# KiCad board WiRoc_NanoPi.kicad_pcb
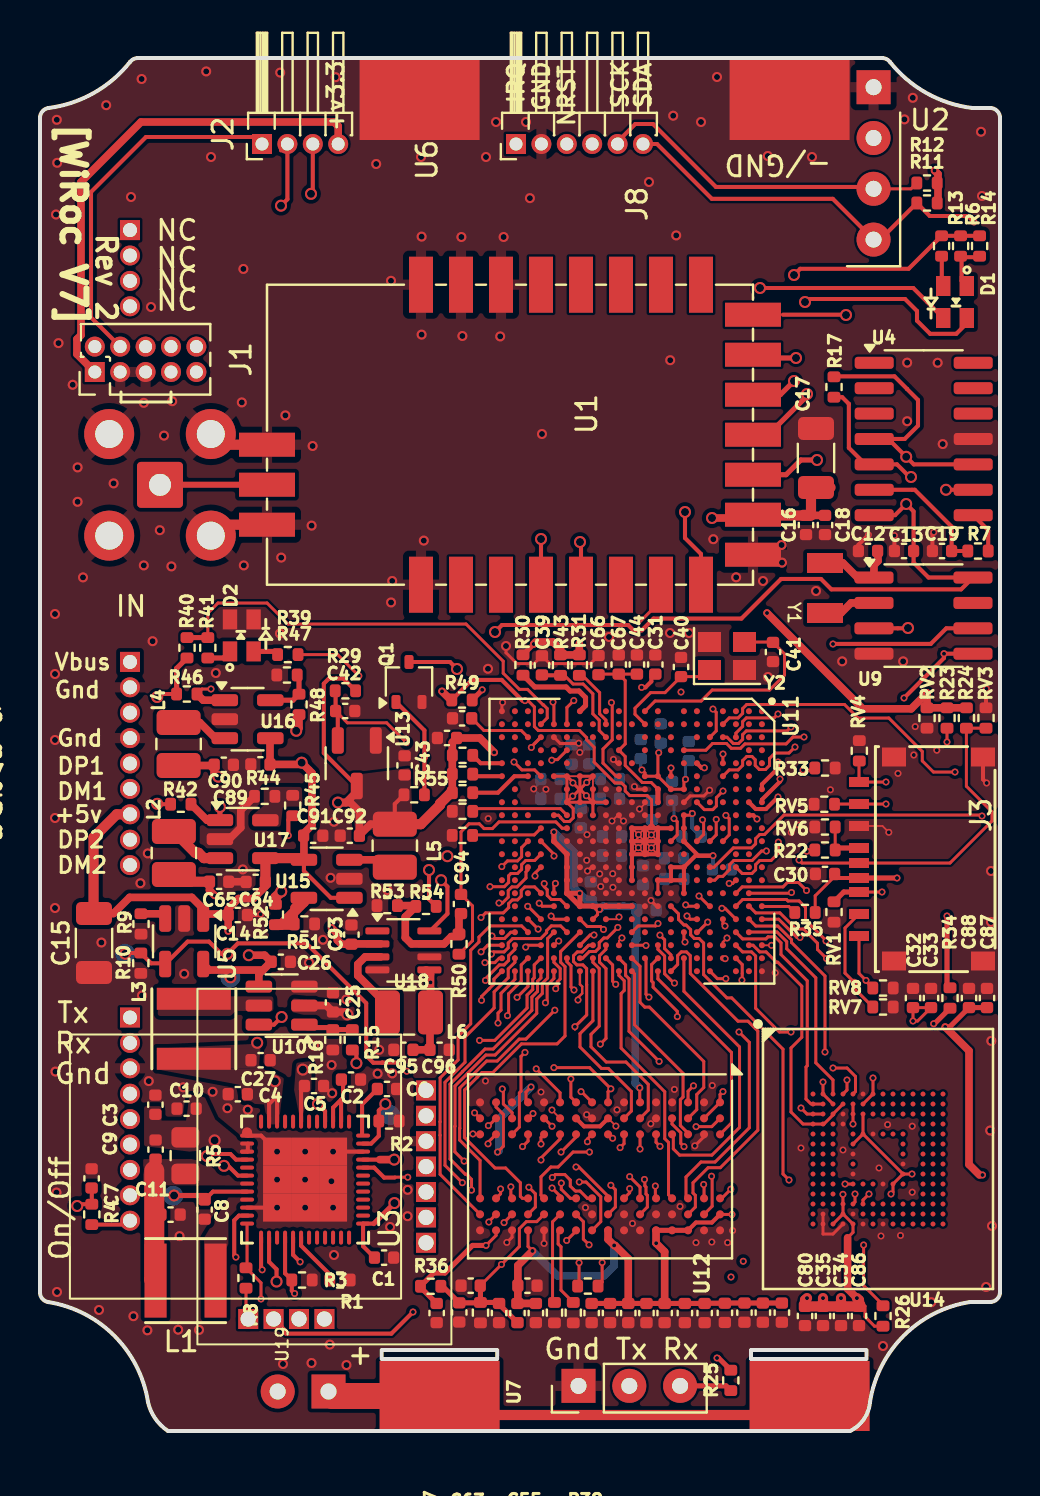
[diagram p0: board, top side]
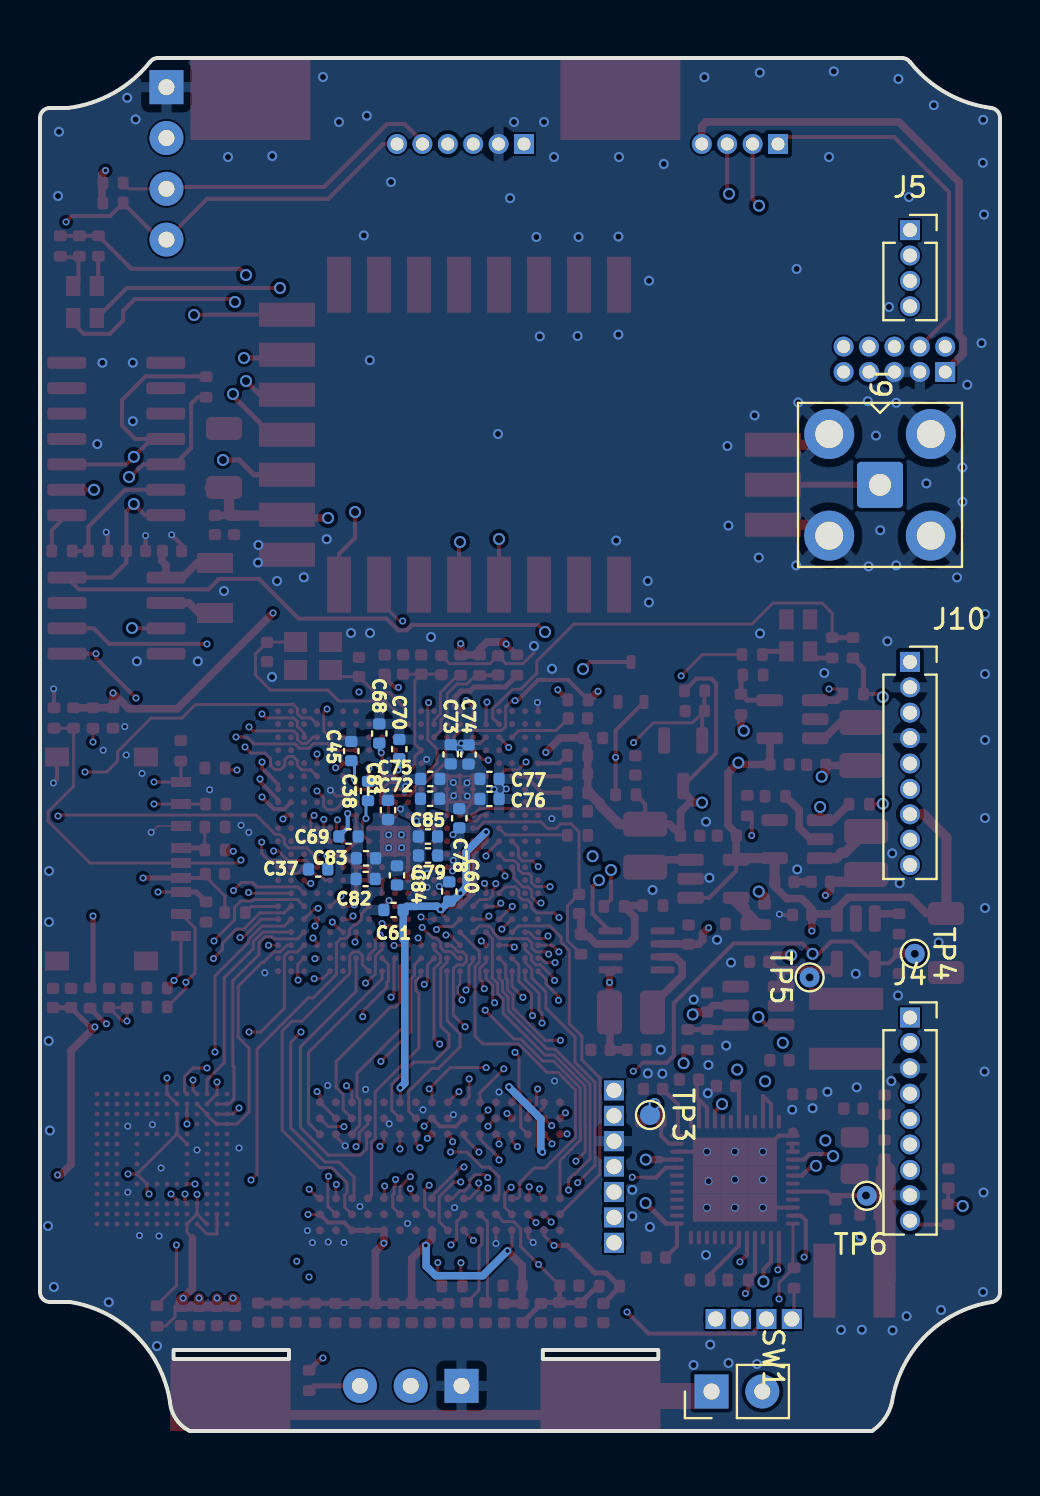
[diagram p1: board, bottom side, seen from below]

Outline 48 x 68.65 mm; copper layers: Top, In1.Cu, In2.Cu, In3.Cu, In4.Cu, Bottom. Coordinates in mm from the lower left corner of the outline.
Outline path: rectangle 17.09,4.05 22.86,3.6 ; rectangle 35.55,4.05 41.33,3.6 ; 0,65.65 arc(0.12,65.98) 0.43,66.15 arc(2.69,66.9) 4.5,68.45 arc(4.68,68.6) 4.9,68.65 42.1,68.65 arc(42.32,68.6) 42.5,68.45 arc(44.33,66.89) 46.61,66.15 47.53,66.15 arc(47.87,65.99) 48,65.65 48,6.95 arc(47.86,6.59) 47.5,6.45 46.5,6.45 arc(43.19,4.76) 41.5,1.45 arc(41.19,0.59) 40.5,0 6.4,0 arc(5.76,0.63) 5.4,1.45 arc(3.71,4.76) 0.4,6.45 arc(0.11,6.62) 0,6.93 0,65.65
Stack: Top 0.035mm / dielectric 0.0994mm FR4 er 4.5 / In1.Cu 0.0152mm / dielectric 0.55mm FR4 er 4.5 / In2.Cu 0.0152mm / dielectric 0.1088mm FR4 er 4.5 / In3.Cu 0.0152mm / dielectric 0.55mm FR4 er 4.5 / In4.Cu 0.0152mm / dielectric 0.0994mm FR4 er 4.5 / Bottom 0.035mm

## Placement (name value [footprint] x y rotation side)
C1  4.7uF  [C_0402_1005Metric]  17.2 8.67 0 top
C2  1uF  [C_0402_1005Metric]  15.55 17.57 0 top
C3  4.7uF  [C_0402_1005Metric]  5.77 16.31 90 top
C4  10uF  [C_0402_1005Metric]  9.89 16.84 180 top
C5  10uF  [C_0402_1005Metric]  13.7 17.25 0 top
C6  1uF  [C_0402_1005Metric]  17.35 17.1 0 top
C7  100pF  [C_0402_1005Metric]  2.58 12.63 270 top
C8  4.7uF  [C_0402_1005Metric]  8.23 11.07 90 top
C9  1uF  [C_0402_1005Metric]  5.78 14.07 270 top
C10  4.7uF  [C_0402_1005Metric]  7.33 16.12 0 top
C11  4.7uF  [C_0402_1005Metric]  6.53 10.82 180 top
C12  22pF  [C_0402_1005Metric]  41.4 44 180 top
C13  1uF  [C_0402_1005Metric]  43.2 44 180 top
C14  10uF  [C_0402_1005Metric]  9.89 25.8 0 top
C15  47uF  [C_1206_3216Metric]  2.7 24.4 90 top
C16  1uF  [C_0402_1005Metric]  38.3 45.3 270 top
C17  47uF  [C_1206_3216Metric]  38.8 48.65 270 top
C18  4.7uF  [C_0402_1005Metric]  39.25 45.3 270 top
C19  1uF  [C_0402_1005Metric]  45.1 44 180 top
C25  1uF  [C_0402_1005Metric]  14.65 21.43 90 top
C26  22uF  [C_0402_1005Metric]  12.04 23.46 0 top
C27  22uF  [C_0402_1005Metric]  11.03 18.54 0 top
C28  100nF  [C_0402_1005Metric]  22.95 5.9 270 top
C29  100nF  [C_0402_1005Metric]  20.96 5.93 270 top
C30  10uF/6.3V  [C_0402_1005Metric]  39.25 27.85 0 top
C31  100nF  [C_0402_1005Metric]  30.77 38.32 90 top
C32  100nF  [C_0402_1005Metric]  43.65 21.65 90 top
C33  1uF  [C_0402_1005Metric]  44.55 21.65 90 top
C34  1uF  [C_0402_1005Metric]  40.05 5.75 270 top
C35  100nF  [C_0402_1005Metric]  39.15 5.75 270 top
C36  1uF  [C_0402_1005Metric]  21.11 35.63 0 top
C37  100nF  [C_0402_1005Metric]  34.09 28.08 0 bottom
C38  4.7uF  [C_0402_1005Metric]  31.6 32 90 bottom
C39  100nF  [C_0402_1005Metric]  25.1 38.28 270 top
C40  18pF  [C_0402_1005Metric]  32.05 38.2 270 top
C41  18pF  [C_0402_1005Metric]  36.65 38.95 90 top
C42  100nF  [C_0402_1005Metric]  15.26 36 0 top
C43  100nF  [C_0402_1005Metric]  18.23 33.28 90 top
C44  4.7uF  [C_0402_1005Metric]  29.85 38.32 90 top
C45  100nF  [C_0402_1005Metric]  32.44 33.99 90 bottom
C46  10uF  [C_0402_1005Metric]  32.24 5.9 270 top
C47  1uF  [C_0402_1005Metric]  19.83 5.9 270 top
C48  1uF  [C_0402_1005Metric]  28.5 5.9 270 top
C49  100nF  [C_0402_1005Metric]  33.23 5.9 270 top
C50  100nF  [C_0402_1005Metric]  34.24 5.91 270 top
C51  100nF  [C_0402_1005Metric]  29.41 5.9 270 top
C52  10uF  [C_0402_1005Metric]  35.22 5.92 270 top
C53  1uF  [C_0402_1005Metric]  27.58 5.9 270 top
C54  1uF  [C_0402_1005Metric]  31.23 5.9 270 top
C55  100nF  [C_0402_1005Metric]  24.37 7.27 0 top
C56  100nF  [C_0402_1005Metric]  37.09 5.92 270 top
C57  100nF  [C_0402_1005Metric]  36.14 5.92 270 top
C58  1uF  [C_0402_1005Metric]  30.32 5.9 270 top
C59  1uF  [C_0402_1005Metric]  24.79 5.9 270 top
C60  100nF  [C_0402_1005Metric]  27.54 26.97 90 bottom
C61  100nF  [C_0402_1005Metric]  30.33 26.05 0 bottom
C62  100nF  [C_0402_1005Metric]  23.87 5.9 270 top
C63  100nF  [C_0402_1005Metric]  21.53 7.27 180 top
C64  10uF/6.3V  [C_0402_1005Metric]  10.78 27.45 180 top
C65  10uF  [C_0402_1005Metric]  8.95 27.46 0 top
C66  1uF  [C_0402_1005Metric]  27.93 38.29 90 top
C67  100nF  [C_0402_1005Metric]  28.94 38.32 90 top
C68  100nF  [C_0402_1005Metric]  31.04 34.87 90 bottom
C69  1uF  [C_0402_1005Metric]  32.58 29.73 180 bottom
C70  10uF  [C_0402_1005Metric]  30.04 34.09 90 bottom
C71  100nF  [C_0402_1005Metric]  20.35 34.65 180 top
C72  10uF  [C_0402_1005Metric]  28.5 31.61 0 bottom
C73  1uF  [C_0402_1005Metric]  27.47 33.83 90 bottom
C74  100nF  [C_0402_1005Metric]  26.58 33.82 90 bottom
C75  10uF  [C_0402_1005Metric]  28.49 32.6 0 bottom
C76  1uF  [C_0402_1005Metric]  25.53 31.6 180 bottom
C77  1uF  [C_0402_1005Metric]  25.53 32.6 180 bottom
C78  100nF  [C_0402_1005Metric]  27.04 30.63 270 bottom
C79  10uF  [C_0402_1005Metric]  28.6 28.78 180 bottom
C80  100nF  [C_0402_1005Metric]  38.25 5.75 270 top
C81  1uF  [C_0402_1005Metric]  30.6 31.05 90 bottom
C82  1uF  [C_0402_1005Metric]  31.72 27.6 0 bottom
C83  1uF  [C_0402_1005Metric]  31.7 28.63 0 bottom
C84  100nF  [C_0402_1005Metric]  30.15 27.78 270 bottom
C85  100nF  [C_0402_1005Metric]  28.6 29.73 180 bottom
C86  1uF  [C_0402_1005Metric]  40.95 5.75 270 top
C87  100nF  [C_0402_1005Metric]  47.35 21.65 90 top
C88  100nF  [C_0402_1005Metric]  46.45 21.65 90 top
C89  10uF/6.3V  [C_0402_1005Metric]  11.02 33.33 180 top
C90  10uF/6.3V  [C_0402_1005Metric]  9.19 33.31 0 top
C91  10uF/6.3V  [C_0402_1005Metric]  13.66 29.77 0 top
C92  10uF/6.3V  [C_0402_1005Metric]  15.49 29.77 180 top
C93  10uF/6.3V  [C_0402_1005Metric]  15.57 24.82 90 top
C94  22pF  [C_0402_1005Metric]  21.05 26.35 270 top
C95  10uF/6.3V  [C_0402_1005Metric]  18.17 19.06 180 top
C96  10uF/6.3V  [C_0402_1005Metric]  19.98 19.06 0 top
D1  LED_DUAL_ACCA  [LED_Dual_1.7_1.6]  45.75 56.45 90 top
D2  LED_DUAL_ACCA  [LED_Dual_1.7_1.6]  10.09 39.78 270 top
J1  Conn_02x05_Odd_Even  [PinHeader_2x05_P1.27mm_Vertical]  2.74 52.95 90 top
J2  Conn_01x04  [PinHeader_1x04_P1.27mm_Horizontal]  11.1 64.35 90 top
J3  Micro_SD_Card_Det1  [TF-SMD_TF-018B-H15]  44.05 28.6 270 top
J4  Conn_01x09_Socket  [PinSocket_1x09_P1.27mm_Vertical]  4.5 20.67 180 bottom
J5  Conn_01x04_Socket  [PinSocket_1x04_P1.27mm_Vertical]  4.5 60.05 180 bottom
J6  HAT_Conn_DBG  [Pin_Header_Straight_1x03_Pitch2.54mm]  26.92 2.26 90 top
J8  Conn_01x06  [PinHeader_1x06_P1.27mm_Horizontal]  23.8 64.35 90 top
J9  Conn_Coaxial  [SMA_Amphenol_901-143_Horizontal]  6 47.31 270 bottom
J10  Conn_01x09_Socket  [PinSocket_1x09_P1.27mm_Vertical]  4.5 38.45 180 bottom
L1  2.2uH-DCR<0.1R-1.5A  [Inductor_SLW4018]  7.28 7.52 180 top
L2  DFE252010P-2R2M=P2  [L_1008_2520Metric]  6.7 28.9 270 top
L3  1.5uH  [Inductor_SLW4018]  7.69 20.11 90 top
L4  DFE252010P-2R2M=P2  [L_1008_2520Metric]  6.93 34.35 270 top
L5  DFE252010P-2R2M=P2  [L_1008_2520Metric]  17.74 29.27 90 top
L6  DFE252010P-1R0M=P2  [L_1008_2520Metric]  18.45 20.93 0 top
Q1  L2N7002WT1G  [SOT-323_SC-70]  18.45 37.45 90 top
R1  100K-1%  [R_0402_1005Metric]  15 7.55 180 top
R2  200K-1%  [R_0402_1005Metric]  17.45 15.5 180 top
R3  200K-1%  [R_0402_1005Metric]  13.1 7.55 180 top
R4  24K-1%  [R_0402_1005Metric]  2.59 10.83 90 top
R5  0R03  [R_0805_2012Metric]  7.27 13.77 90 top
R6  1K  [R_0402_1005Metric]  46.03 59.25 90 top
R7  200K-1%  [R_0402_1005Metric]  46.9 44 180 top
R8  200K-1%  [R_0402_1005Metric]  10.3 7.65 90 top
R9  3.6K-1%  [R_0402_1005Metric]  5.05 25.35 90 top
R10  100K-1%  [R_0402_1005Metric]  5.04 23.39 90 top
R11  10K  [R_0402_1005Metric]  44.35 61.4 0 top
R12  10K  [R_0402_1005Metric]  44.35 62.4 0 top
R13  1K  [R_0402_1005Metric]  45.08 59.25 90 top
R14  1K  [R_0402_1005Metric]  46.98 59.25 90 top
R15  470kOhm  [R_0402_1005Metric]  15.62 19.56 90 top
R16  140kOhm  [R_0402_1005Metric]  14.64 19.56 270 top
R17  200K-1%  [R_0402_1005Metric]  39.7 52.2 90 top
R18  240R/1%  [R_0402_1005Metric]  21.12 29.78 180 top
R19  0R  [R_0402_1005Metric]  21.13 30.98 180 top
R20  240R/1%  [R_0402_1005Metric]  25.72 5.92 90 top
R21  240R/1%  [R_0402_1005Metric]  26.66 5.92 90 top
R22  33R  [R_0402_1005Metric]  39.25 29.05 0 top
R23  47K  [R_0402_1005Metric]  45.35 35.65 90 top
R24  47K  [R_0402_1005Metric]  46.32 35.65 90 top
R25  4,7K  [R_0402_1005Metric]  34.54 2.53 90 top
R26  10K  [R_0402_1005Metric]  42.15 5.75 90 top
R27  47K  [R_0402_1005Metric]  21.13 32.84 0 top
R28  100K  [R_0402_1005Metric]  21.13 33.78 0 top
R29  10K  [R_0402_1005Metric]  15.27 37.01 180 top
R30  10K  [R_0402_1005Metric]  24.15 38.3 90 top
R31  10K  [R_0402_1005Metric]  26.97 38.29 90 top
R32  10K  [R_0402_1005Metric]  21.13 31.91 180 top
R33  10K  [R_0402_1005Metric]  39.25 33.15 0 top
R34  22R  [R_0402_1005Metric]  45.5 21.65 270 top
R35  10K  [R_0402_1005Metric]  38.25 25.92 0 top
R36  2K/1%  [R_0402_1005Metric]  19.53 7.24 0 top
R37  2K/1%  [R_0402_1005Metric]  22.02 5.92 270 top
R38  100R  [R_0402_1005Metric]  27.39 7.25 180 top
R39  1K  [R_0402_1005Metric]  12.39 38.82 0 top
R40  1K  [R_0402_1005Metric]  7.35 39.16 90 top
R41  1K  [R_0402_1005Metric]  8.39 39.16 90 top
R42  10K  [R_0402_1005Metric]  7.04 31.34 0 top
R43  0R  [R_0402_1005Metric]  26.03 38.29 90 top
R44  10K/1%  [R_0402_1005Metric]  11.23 31.73 180 top
R45  15K/1%  [R_0402_1005Metric]  12.63 31.27 270 top
R46  10K  [R_0402_1005Metric]  7.34 36.85 0 top
R47  10K/1%  [R_0402_1005Metric]  12.35 37.8 180 top
R48  10K/1%  [R_0402_1005Metric]  12.95 36.33 270 top
R49  2R/1%  [R_0402_1005Metric]  21.1 36.55 0 top
R50  10K/1%  [R_0402_1005Metric]  20.95 24.35 270 top
R51  6.8K/1%  [R_0402_1005Metric]  13.22 25.36 0 top
R52  30K/1%  [R_0402_1005Metric]  11.77 25.83 90 top
R53  12K/1%  [R_0402_1005Metric]  17.36 26.27 0 top
R54  30K/1%  [R_0402_1005Metric]  19.3 26.23 180 top
R55  10K  [R_0402_1005Metric]  18.71 31.81 180 top
RV1  AVRL101A1R1NTB  [R_0402_1005Metric]  39.7 25.95 270 top
RV2  AVRL101A1R1NTB  [R_0402_1005Metric]  44.35 35.65 270 top
RV3  AVRL101A1R1NTB  [R_0402_1005Metric]  47.3 35.65 90 top
RV4  AVRL101A1R1NTB  [R_0402_1005Metric]  40.97 34.01 90 top
RV5  AVRL101A1R1NTB  [R_0402_1005Metric]  39.22 31.34 180 top
RV6  AVRL101A1R1NTB  [R_0402_1005Metric]  39.25 30.2 180 top
RV7  AVRL101A1R1NTB  [R_0402_1005Metric]  42.15 21.2 0 top
RV8  AVRL101A1R1NTB  [R_0402_1005Metric]  42.15 22.15 0 top
SW1  SW_SPST  [Pin_Header_Straight_1x02_Pitch2.54mm]  14.42 1.98 90 bottom
TP3  TEST  [TestPoint_Pad_D1.0mm]  17.5 15.8 270 bottom
TP4  TEST  [TestPoint_Pad_D1.0mm]  4.26 23.86 270 bottom
TP5  TEST  [TestPoint_Pad_D1.0mm]  9.52 22.68 90 bottom
TP6  TEST  [TestPoint_Pad_D1.0mm]  6.66 11.76 180 bottom
U1  -  [DRF1268DS]  23.5 49.81 90 top
U2  OLED  [CONN_OLED_TWI-Socket_Strip_Straight_1x04_Pitch2.54mm]  41.68 67.19 0 top
U3  AXP209  [qfn48_6x6mm_Pitch0.4mm]  13.25 12.57 90 top
U4  74LS73  [SOIC-14_3.9x8.7mm_P1.27mm]  44.19 49.6 0 top
U5  SY6280  [SOT-23-5]  7.21 24.49 270 top
U6  BatteryPadM  [BatteryPad]  18.98 66.55 90 top
U7  BatteryPadP  [BatteryPadThinner]  19.98 1.75 90 top
U9  PCF8563T  [SOIC-8_3.9x4.9mm_P1.27mm]  44.17 40.77 0 top
U10  ~  [TSOT-23-6]  12.08 21.27 180 top
U11  ~  [BGA-347_21x21_14.0x14.0mm]  29.6 29.49 270 top
U12  ~  [BGA-96_9.0x13.0mm_Layout2x3x16_P0.8mm]  28 13.23 270 top
U13  SGM803-RXN3L  [SOT-23-3]  15.84 33.39 270 top
U14  KLM8G1WEPD-B031  [MICRON_EMMC_153]  41.9 13.6 0 top
U15  RT8059  [TSOT-23-5]  10.13 29.59 0 top
U16  RT8059  [TSOT-23-5]  10.38 35.59 0 top
U17  RT8059  [TSOT-23-5]  14.33 27.61 180 top
U18  MP2143DJ  [TSOT-23-8-Thinner-Pads]  18.17 24.03 0 top
U19  ESP32-C6-Board  [ESP32Hosted-C6-Board]  9.77 13.22 90 top
Y1  32.768kHz  [SMD3215-2P]  39.25 42.15 270 top
Y2  24MHz/18pF  [Crystal_SMD_2520-4Pin_2.5x2.0mm]  34.35 38.75 0 top

## Library data of the parts
C1 = -: Description: Unpolarized capacitor; IncludeInBOM: TRUE; LCSC Part #: C19666; Manufacturer: Samsung Electro-Mechanics; ManufacturerPartNumber: CL10A475KO8NNNC; Original: No; Package: 0603; ThroughHole: FALSE; WebsiteURL: https://jlcpcb.com/partdetail/20375-CL10A475KO8NNNC/C19666
C2 C6 C9 C13 C16 C19 C25 = -: Description: Unpolarized capacitor; IncludeInBOM: TRUE; LCSC Part #: C15849; Manufacturer: Samsung Electro-Mechanics; ManufacturerPartNumber: CL10A105KB8NNNC; Original: No; Package: 0603; ThroughHole: FALSE
C3 C8 C10 C11 C18 = -: Description: Unpolarized capacitor; IncludeInBOM: TRUE; LCSC Part #: C19666; Manufacturer: Samsung Electro-Mechanics; ManufacturerPartNumber: CL10A475KO8NNNC; Original: No; Package: 0603; ThroughHole: FALSE; WebsiteURL: https://lcsc.com/product-detail/Multilayer-Ceramic-Capacitors-MLCC-SMD-SMT_4-7uF-475-10-16V_C99226.html
C4 C5 C14 = -: Description: Unpolarized capacitor; IncludeInBOM: TRUE; LCSC Part #: C19702; Manufacturer: Samsung Electro-Mechanics; ManufacturerPartNumber: CL10A106KP8NNNC; Original: No; Package: 0603; ThroughHole: FALSE; WebsiteURL: https://lcsc.com/product-detail/Multilayer-Ceramic-Capacitors-MLCC-SMD-SMT_SAMSUNG_CL10A106KP8NNNC_10uF-106-10-10V_C19702.html
C7 = -: Description: Unpolarized capacitor; IncludeInBOM: TRUE; LCSC Part #: C14858; Manufacturer: Samsung Electro-Mechanics; ManufacturerPartNumber: CL10C101JB8NNNC; Original: No; Package: 0603; ThroughHole: FALSE; WebsiteURL: https://lcsc.com/product-detail/Multilayer-Ceramic-Capacitors-MLCC-SMD-SMT_100pF-101-5-50V_C1635.html
C12 = -: Description: Unpolarized capacitor; IncludeInBOM: TRUE; LCSC Part #: C1555; Manufacturer: Murata Electronics; ManufacturerPartNumber: GRM155R71C223JA01D; Original: No; Package: 0402; ThroughHole: FALSE; WebsiteURL: https://jlcpcb.com/partdetail/749157-GRM155R71C223JA01D/C710885
C15 C17 = -: Description: Unpolarized capacitor; IncludeInBOM: TRUE; LCSC Part #: C96123; Manufacturer: Murata Electronics; ManufacturerPartNumber: CL31A476MPHNNNE; Original: No; Package: 1206; ThroughHole: FALSE
C26 C27 = -: Description: Unpolarized capacitor; IncludeInBOM: TRUE; LCSC Part #: C84419; PartNo: GRM188R61A226ME15D
C28-C96 = -: Description: Unpolarized capacitor
D1 D2 = -: IncludeInBOM: TRUE; LCSC Part #: C513363; Manufacturer: HONGLITRONIC(Hongli Zhihui (HONGLITRONIC)); ManufacturerPartNumber: HL-PCB-1617S9FH203BC; Original: Yes; Package: SMD,1.6x1.7x0.67mm; ThroughHole: FALSE
J1 = -: Description: Generic connector, double row, 02x05, odd/even pin numbering scheme (row 1 odd numbers, row 2 even numbers), script generated (kicad-library-utils/schlib/autogen/connector/)
J2 = -: Description: Generic connector, single row, 01x04, script generated (kicad-library-utils/schlib/autogen/connector/); IncludeInBOM: FALSE
J3 = -: Description: Micro SD Card Socket with one card detection pin
J4 = -: Description: Generic connector, single row, 01x09, script generated; IncludeInBOM: FALSE
J5 = -: Description: Generic connector, single row, 01x04, script generated; IncludeInBOM: FALSE
J6 = -: Description: Generic connector, single row, 01x03, script generated (kicad-library-utils/schlib/autogen/connector/); IncludeInBOM: FALSE; Manufacturer: Boom Precision Elec; ManufacturerPartNumber: 2.54mm 1x40P; Original: No; Package: 1x 3P-2.54; ThroughHole: TRUE; WebsiteURL: https://lcsc.com/product-detail/Male-Header_2-54mm-1-40P-Straight-Headers-Pins_C2337.html
J8 = -: Description: Generic connector, single row, 01x06, script generated (kicad-library-utils/schlib/autogen/connector/); IncludeInBOM: FALSE; ThroughHole: TRUE
J9 = -: Description: coaxial connector (BNC, SMA, SMB, SMC, Cinch/RCA, LEMO, ...); IncludeInBOM: FALSE; ThroughHole: TRUE
J10 = -: Description: Generic connector, single row, 01x09, script generated; IncludeInBOM: FALSE; ThroughHole: TRUE
L1 = -: Description: Inductor; IncludeInBOM: TRUE; LCSC Part #: C206341; Manufacturer: Sunltech Tech; ManufacturerPartNumber: SLW4018S2R2MST; Original: Yes; Package: 4018; ThroughHole: FALSE; WebsiteURL: https://lcsc.com/product-detail/Power-Inductors_2-2uH-20-1-65A_C206341.html
L2 L4-L6 = -: Description: Inductor
L3 = -: Description: Inductor; IncludeInBOM: TRUE; LCSC Part #: C206395; Manufacturer: Sunltech Tech; ManufacturerPartNumber: SLW4020S1R5MST; Original: Yes; Package: SMD; PartNo: SLW4020S1R5MST
Q1 = -: Description: 0.115A Id, 60V Vds, N-Channel MOSFET, SOT-23
R1 R10 = -: Description: Resistor; IncludeInBOM: TRUE; LCSC Part #: C25803; Manufacturer: Uniroyal Elec; ManufacturerPartNumber: 0603WAF1003T5E; Original: No; Package: 0603; ThroughHole: FALSE; WebsiteURL: https://lcsc.com/product-detail/Chip-Resistor-Surface-Mount-UniOhm_Uniroyal-Elec-0603WAF1003T5E_C25803.html
R2 R3 R7 R8 R17 = -: Description: Resistor; IncludeInBOM: TRUE; LCSC Part #: C25811; Manufacturer: Uniroyal Elec; ManufacturerPartNumber: 0603WAF2003T5E; Original: No; Package: 0603; ThroughHole: FALSE; WebsiteURL: https://lcsc.com/product-detail/Chip-Resistor-Surface-Mount-UniOhm_Uniroyal-Elec-0603WAF2003T5E_C25811.html
R4 = -: Description: Resistor; IncludeInBOM: TRUE; LCSC Part #: C23352; Manufacturer: Uniroyal Elec; ManufacturerPartNumber: 0603WAF2402T5E; Original: No; Package: 0603; ThroughHole: FALSE; WebsiteURL: https://lcsc.com/product-detail/Chip-Resistor-Surface-Mount_1KR-1001-1_C103198.html
R5 = -: Description: Resistor; IncludeInBOM: TRUE; LCSC Part #: C247605; Manufacturer: Uniroyal Elec; ManufacturerPartNumber: 0805W4F300MT5E; Original: No; Package: 0805; ThroughHole: FALSE; WebsiteURL: https://lcsc.com/product-detail/Chip-Resistor-Surface-Mount_0-03R-R030-1_C158159.html
R6 R13 R14 R39-R41 = -: Description: Resistor; IncludeInBOM: TRUE; LCSC Part #: C21190; Manufacturer: Uniroyal Elec; ManufacturerPartNumber: 0603WAJ0102T5E; Original: No; Package: 0603; ThroughHole: FALSE; WebsiteURL: https://lcsc.com/product-detail/Chip-Resistor-Surface-Mount_1KR-1001-1_C103198.html
R9 = -: Description: Resistor; IncludeInBOM: TRUE; LCSC Part #: C22980; Manufacturer: Uniroyal Elec; ManufacturerPartNumber: 0603WAF3601T5E; Original: No; Package: 0603; ThroughHole: FALSE; WebsiteURL: https://lcsc.com/product-detail/Chip-Resistor-Surface-Mount_3-6KR-3601-1_C100993.html
R11 R12 = -: Description: Resistor; IncludeInBOM: TRUE; LCSC Part #: C25804; Manufacturer: Uniroyal Elec; ManufacturerPartNumber: 0603WAF1002T5E; Original: No; Package: 0603; ThroughHole: FALSE; WebsiteURL: https://lcsc.com/product-detail/Chip-Resistor-Surface-Mount_10KR-103-5_C108450.html
R15 = -: Description: Resistor; IncludeInBOM: TRUE; LCSC Part #: C23178; ManufacturerPartNumber: HPCR0603F470KK9; PartNo: HPCR0603F470KK9
R16 = -: Description: Resistor; IncludeInBOM: TRUE; LCSC Part #: C321721; ManufacturerPartNumber: 0603WAF140KT5E; PartNo: 0603WAF140KT5E
R18-R38 R42-R55 = -: Description: Resistor
RV1-RV8 = -: Description: Voltage dependent resistor; Sim.Device: SUBCKT; Sim.Name: kicad_builtin_varistor; Sim.Params: threshold=1k; Sim.Pins: 1=A 2=B
SW1 = -: Description: Single Pole Single Throw (SPST) switch; IncludeInBOM: FALSE; Manufacturer: Boom Precision Elec; ManufacturerPartNumber: 2.54mm 1x40P; Original: No; Package: 1x 2P-2.54; ThroughHole: TRUE; WebsiteURL: https://lcsc.com/product-detail/Male-Header_2-54mm-1-40P-Straight-Headers-Pins_C2337.html
TP3-TP6 U1 U6 U7 = -: IncludeInBOM: FALSE; ThroughHole: FALSE
U2 = -: Description: Pin header for OLED dispaly; IncludeInBOM: FALSE; Manufacturer: Boom Precision Elec; ManufacturerPartNumber: 2.54mm 1x40P; Original: No; Package: 1x 4P-2.54; ThroughHole: TRUE; WebsiteURL: https://lcsc.com/product-detail/Male-Header_2-54mm-1-40P-Straight-Headers-Pins_C2337.html
U3 = -: Description: Enhanced single Cell Li-Battery and Power System Management IC; IncludeInBOM: TRUE; LCSC Part #: C2997895; Manufacturer: X-Powers Limited; Original: Yes; Package: 6mm x 6mm 48-pin QFN; ThroughHole: FALSE; WebsiteURL: https://lcsc.com/product-detail/PMIC-AC-DC-Converters_AXP209_C80525.html
U4 = -: Description: Dual JK Flip-Flop, reset; IncludeInBOM: TRUE; JLCPCB Rotation Offset: -90; LCSC Part #: C350539; Manufacturer: Texas Instruments; ManufacturerPartNumber: CD74HC73M96; Original: No; Package: SOIC-14; ThroughHole: FALSE; WebsiteURL: https://www.lcsc.com/product-detail/Flip-Flops_Texas-Instruments-CD74HC73M96_C350539.html
U5 = -: Description: Power Distribution Switch, 1In/1Out, Act-High Enable, 1A, Vin 2.4÷5.5V, 80mΩ; IncludeInBOM: TRUE; JLCPCB Rotation Offset: -90; LCSC Part #: C55136; Manufacturer: Silergy Corp; ManufacturerPartNumber: SY6280AAC; Original: Yes; Package: SOT23-5; ThroughHole: FALSE; WebsiteURL: https://lcsc.com/product-detail/PMIC-Power-Distribution-Switches_Silergy_SY6280AAC_SY6280AAC_C55136.html
U9 = -: Description: Realtime Clock/Calendar I2C Interface, SOIC-8; IncludeInBOM: TRUE; JLCPCB Rotation Offset: -90; LCSC Part #: C7440; Manufacturer: NXP Semicon; ManufacturerPartNumber: PCF8563T/5,518; Original: Yes; ThroughHole: FALSE
U10 = -: IncludeInBOM: TRUE; JLCPCB Rotation Offset: 180; LCSC Part #: C207630; Manufacturer: Silergy Corp; ManufacturerPartNumber: SY7069ADC; Original: Yes; PartNo: SY7069ADC; ThroughHole: FALSE; WebsiteURL: https://jlcpcb.com/partdetail/SilergyCorp-SY7069ADC/C207630
Y1 = -: Description: Two pin crystal; IncludeInBOM: TRUE; LCSC Part #: C32346; Manufacturer: Seiko Epson; ManufacturerPartNumber: Q13FC1350000400; Original: Yes; Package: SMD3215-2P; ThroughHole: FALSE
Y2 = -: Description: Four pin crystal, GND on pins 2 and 4, small symbol

## Footprints (pads in the part's own frame, mm; a bottom-side part is the same pattern mirrored in y, then rotated)
BatteryPad
  rect 4x6 smd: 1(0,0) 1(0,-18.5)
BatteryPadThinner
  rect 3.5x6 smd: 1(0,0) 1(0,-18.5)
BGA-96_9.0x13.0mm_Layout2x3x16_P0.8mm
  round 0.4 smd: A1(-3.2,6) A2(-2.4,6) A3(-1.6,6) A7(1.6,6) A8(2.4,6) A9(3.2,6) B1(-3.2,5.2) B2(-2.4,5.2) B3(-1.6,5.2) B7(1.6,5.2) B8(2.4,5.2) B9(3.2,5.2) C1(-3.2,4.4) C2(-2.4,4.4) C3(-1.6,4.4) C7(1.6,4.4) C8(2.4,4.4) C9(3.2,4.4) D1(-3.2,3.6) D2(-2.4,3.6) D3(-1.6,3.6) D7(1.6,3.6) D8(2.4,3.6) D9(3.2,3.6) E1(-3.2,2.8) E2(-2.4,2.8) E3(-1.6,2.8) E7(1.6,2.8) E8(2.4,2.8) E9(3.2,2.8) F1(-3.2,2) F2(-2.4,2) F3(-1.6,2) F7(1.6,2) F8(2.4,2) F9(3.2,2) G1(-3.2,1.2) G2(-2.4,1.2) G3(-1.6,1.2) G7(1.6,1.2) G8(2.4,1.2) G9(3.2,1.2) H1(-3.2,0.4) H2(-2.4,0.4) H3(-1.6,0.4) H7(1.6,0.4) H8(2.4,0.4) H9(3.2,0.4) J1(-3.2,-0.4) J2(-2.4,-0.4) J3(-1.6,-0.4) J7(1.6,-0.4) J8(2.4,-0.4) J9(3.2,-0.4) K1(-3.2,-1.2) K2(-2.4,-1.2) K3(-1.6,-1.2) K7(1.6,-1.2) K8(2.4,-1.2) K9(3.2,-1.2) L1(-3.2,-2) L2(-2.4,-2) L3(-1.6,-2) L7(1.6,-2) L8(2.4,-2) L9(3.2,-2) M1(-3.2,-2.8) M2(-2.4,-2.8) M3(-1.6,-2.8) M7(1.6,-2.8) M8(2.4,-2.8) M9(3.2,-2.8) N1(-3.2,-3.6) N2(-2.4,-3.6) N3(-1.6,-3.6) N7(1.6,-3.6) N8(2.4,-3.6) N9(3.2,-3.6) P1(-3.2,-4.4) P2(-2.4,-4.4) P3(-1.6,-4.4) P7(1.6,-4.4) P8(2.4,-4.4) P9(3.2,-4.4) R1(-3.2,-5.2) R2(-2.4,-5.2) R3(-1.6,-5.2) R7(1.6,-5.2) R8(2.4,-5.2) R9(3.2,-5.2) T1(-3.2,-6) T2(-2.4,-6) T3(-1.6,-6) T7(1.6,-6) T8(2.4,-6) T9(3.2,-6)
BGA-347_21x21_14.0x14.0mm
  round 0.3 smd: A1(-6.5,6.5) A2(-5.85,6.5) A3(-5.2,6.5) A4(-4.55,6.5) A5(-3.9,6.5) A7(-2.6,6.5) A8(-1.95,6.5) A10(-0.65,6.5) A11(0,6.5) A13(1.3,6.5) A14(1.95,6.5) A16(3.25,6.5) A17(3.9,6.5) A19(5.2,6.5) A20(5.85,6.5) A21(6.5,6.5) AA1(-6.5,-6.5) AA2(-5.85,-6.5) AA3(-5.2,-6.5) AA5(-3.9,-6.5) AA6(-3.25,-6.5) AA8(-1.95,-6.5) AA9(-1.3,-6.5) AA11(0,-6.5) AA12(0.65,-6.5) AA14(1.95,-6.5) AA15(2.6,-6.5) AA17(3.9,-6.5) AA18(4.55,-6.5) AA19(5.2,-6.5) AA20(5.85,-6.5) AA21(6.5,-6.5) B1(-6.5,5.85) B2(-5.85,5.85) B3(-5.2,5.85) B4(-4.55,5.85) B5(-3.9,5.85) B6(-3.25,5.85) B7(-2.6,5.85) B8(-1.95,5.85) B9(-1.3,5.85) B10(-0.65,5.85) B11(0,5.85) B12(0.65,5.85) B13(1.3,5.85) B14(1.95,5.85) B15(2.6,5.85) B16(3.25,5.85) B17(3.9,5.85) B18(4.55,5.85) B19(5.2,5.85) B20(5.85,5.85) B21(6.5,5.85) C1(-6.5,5.2) C2(-5.85,5.2) C3(-5.2,5.2) C5(-3.9,5.2) C6(-3.25,5.2) C7(-2.6,5.2) C8(-1.95,5.2) C9(-1.3,5.2) C10(-0.65,5.2) C11(0,5.2) C12(0.65,5.2) C13(1.3,5.2) C14(1.95,5.2) C15(2.6,5.2) C16(3.25,5.2) C17(3.9,5.2) C18(4.55,5.2) C19(5.2,5.2) C20(5.85,5.2) C21(6.5,5.2) D1(-6.5,4.55) D2(-5.85,4.55) D3(-5.2,4.55) D5(-3.9,4.55) D6(-3.25,4.55) D8(-1.95,4.55) D10(-0.65,4.55) D11(0,4.55) D13(1.3,4.55) D15(2.6,4.55) D17(3.9,4.55) D19(5.2,4.55) D20(5.85,4.55) E2(-5.85,3.9) E3(-5.2,3.9) E8(-1.95,3.9) E10(-0.65,3.9) E11(0,3.9) E13(1.3,3.9) E14(1.95,3.9) E15(2.6,3.9) E16(3.25,3.9) E18(4.55,3.9) E19(5.2,3.9) E20(5.85,3.9) E21(6.5,3.9) F1(-6.5,3.25) F2(-5.85,3.25) F3(-5.2,3.25) F5(-3.9,3.25) F6(-3.25,3.25) F7(-2.6,3.25) F8(-1.95,3.25) F10(-0.65,3.25) F11(0,3.25) F13(1.3,3.25) F14(1.95,3.25) F16(3.25,3.25) F17(3.9,3.25) F18(4.55,3.25) F19(5.2,3.25) F20(5.85,3.25) F21(6.5,3.25) G1(-6.5,2.6) G2(-5.85,2.6) G4(-4.55,2.6) G5(-3.9,2.6) G7(-2.6,2.6) G8(-1.95,2.6) G9(-1.3,2.6) G10(-0.65,2.6) G11(0,2.6) G12(0.65,2.6) G13(1.3,2.6) G14(1.95,2.6) G15(2.6,2.6) G18(4.55,2.6) G20(5.85,2.6) H2(-5.85,1.95) H3(-5.2,1.95) H4(-4.55,1.95) H6(-3.25,1.95) H7(-2.6,1.95) H8(-1.95,1.95) H10(-0.65,1.95) H11(0,1.95) H12(0.65,1.95) H13(1.3,1.95) H14(1.95,1.95) H15(2.6,1.95) H16(3.25,1.95) H17(3.9,1.95) H18(4.55,1.95) H19(5.2,1.95) H20(5.85,1.95) H21(6.5,1.95) J1(-6.5,1.3) J2(-5.85,1.3) J3(-5.2,1.3) J6(-3.25,1.3) J7(-2.6,1.3) J8(-1.95,1.3) J9(-1.3,1.3) J10(-0.65,1.3) J11(0,1.3) J12(0.65,1.3) J13(1.3,1.3) J14(1.95,1.3) J15(2.6,1.3) J16(3.25,1.3) J19(5.2,1.3) J20(5.85,1.3) J21(6.5,1.3) K1(-6.5,0.65) K2(-5.85,0.65) K3(-5.2,0.65) K4(-4.55,0.65) K6(-3.25,0.65) K7(-2.6,0.65) K8(-1.95,0.65) K9(-1.3,0.65) K10(-0.65,0.65) K11(0,0.65) K12(0.65,0.65) K13(1.3,0.65) K14(1.95,0.65) K15(2.6,0.65) K16(3.25,0.65) K17(3.9,0.65) K18(4.55,0.65) K20(5.85,0.65) L2(-5.85,0) L5(-3.9,0) L8(-1.95,0) L9(-1.3,0) L10(-0.65,0) L11(0,0) L12(0.65,0) L13(1.3,0) L14(1.95,0) L15(2.6,0) L16(3.25,0) L17(3.9,0) L18(4.55,0) L19(5.2,0) L20(5.85,0) L21(6.5,0) M1(-6.5,-0.65) M2(-5.85,-0.65) M3(-5.2,-0.65) M4(-4.55,-0.65) M5(-3.9,-0.65) M6(-3.25,-0.65) M7(-2.6,-0.65) M8(-1.95,-0.65) M9(-1.3,-0.65) M10(-0.65,-0.65) M11(0,-0.65) M12(0.65,-0.65) M13(1.3,-0.65) M14(1.95,-0.65) M15(2.6,-0.65) M16(3.25,-0.65) M19(5.2,-0.65) M20(5.85,-0.65) M21(6.5,-0.65) N1(-6.5,-1.3) N2(-5.85,-1.3) N3(-5.2,-1.3) N7(-2.6,-1.3) N8(-1.95,-1.3) N9(-1.3,-1.3) N10(-0.65,-1.3) N11(0,-1.3) N12(0.65,-1.3) N13(1.3,-1.3) N14(1.95,-1.3) N15(2.6,-1.3) N16(3.25,-1.3) N17(3.9,-1.3) N19(5.2,-1.3) N20(5.85,-1.3) P2(-5.85,-1.95) P3(-5.2,-1.95) P6(-3.25,-1.95) P7(-2.6,-1.95) P8(-1.95,-1.95) P9(-1.3,-1.95) P10(-0.65,-1.95) P11(0,-1.95) P12(0.65,-1.95) P13(1.3,-1.95) P14(1.95,-1.95) P15(2.6,-1.95) P16(3.25,-1.95) P17(3.9,-1.95) P19(5.2,-1.95) P20(5.85,-1.95) P21(6.5,-1.95) R1(-6.5,-2.6) R2(-5.85,-2.6) R6(-3.25,-2.6) R7(-2.6,-2.6) R8(-1.95,-2.6) R9(-1.3,-2.6) R10(-0.65,-2.6) R11(0,-2.6) R12(0.65,-2.6) R13(1.3,-2.6) R14(1.95,-2.6) R16(3.25,-2.6) R17(3.9,-2.6) R18(4.55,-2.6) R19(5.2,-2.6) R20(5.85,-2.6) R21(6.5,-2.6) T2(-5.85,-3.25) T3(-5.2,-3.25) T4(-4.55,-3.25) T5(-3.9,-3.25) T6(-3.25,-3.25) T7(-2.6,-3.25) T8(-1.95,-3.25) T9(-1.3,-3.25) T10(-0.65,-3.25) T11(0,-3.25) T12(0.65,-3.25) T13(1.3,-3.25) T14(1.95,-3.25) T15(2.6,-3.25) T16(3.25,-3.25) T17(3.9,-3.25) T18(4.55,-3.25) T20(5.85,-3.25) U2(-5.85,-3.9) U3(-5.2,-3.9) U4(-4.55,-3.9) U6(-3.25,-3.9) U9(-1.3,-3.9) U11(0,-3.9) U15(2.6,-3.9) U16(3.25,-3.9) U18(4.55,-3.9) U19(5.2,-3.9) U20(5.85,-3.9) U21(6.5,-3.9) V1(-6.5,-4.55) V2(-5.85,-4.55) V3(-5.2,-4.55) V4(-4.55,-4.55) V5(-3.9,-4.55) V6(-3.25,-4.55) V10(-0.65,-4.55) V11(0,-4.55) V12(0.65,-4.55) V13(1.3,-4.55) V15(2.6,-4.55) V17(3.9,-4.55) V19(5.2,-4.55) V20(5.85,-4.55) V21(6.5,-4.55) W1(-6.5,-5.2) W2(-5.85,-5.2) W3(-5.2,-5.2) W5(-3.9,-5.2) W6(-3.25,-5.2) W9(-1.3,-5.2) W11(0,-5.2) W12(0.65,-5.2) W13(1.3,-5.2) W15(2.6,-5.2) W17(3.9,-5.2) W18(4.55,-5.2) W20(5.85,-5.2) W21(6.5,-5.2) Y1(-6.5,-5.85) Y2(-5.85,-5.85) Y3(-5.2,-5.85) Y4(-4.55,-5.85) Y7(-2.6,-5.85) Y8(-1.95,-5.85) Y9(-1.3,-5.85) Y10(-0.65,-5.85) Y11(0,-5.85) Y12(0.65,-5.85) Y13(1.3,-5.85) Y14(1.95,-5.85) Y15(2.6,-5.85) Y16(3.25,-5.85) Y17(3.9,-5.85) Y18(4.55,-5.85) Y19(5.2,-5.85) Y20(5.85,-5.85) Y21(6.5,-5.85)